# Altium PCB waffling80-NMB.PcbDoc (part 1 of 3) (continued)
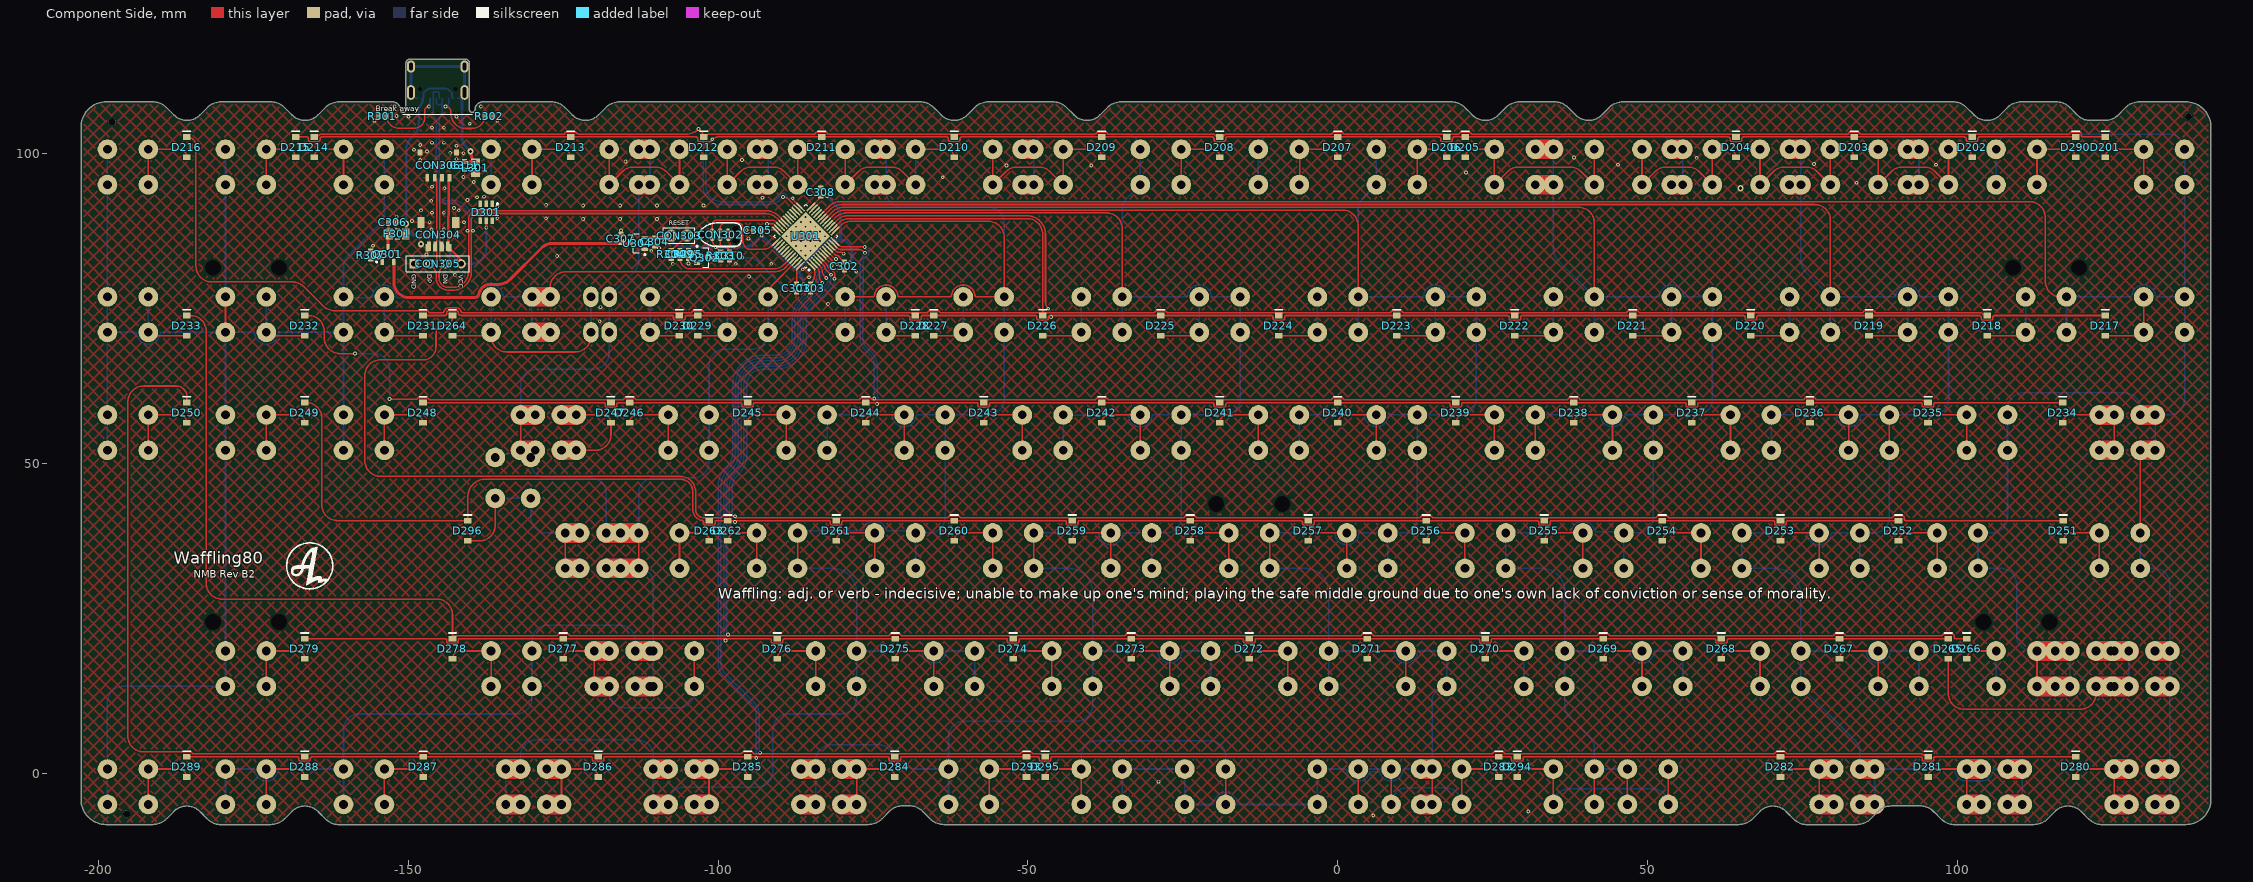
[diagram p0: Component Side view]
## Components (designator, comment, footprint, x,y, rotation, side; value= is the part's Value field where it differs from the comment) (continued)
S239 "NMB" "NMB-Switch 1U - switched pol  - no allignment pins"#1 28.574,57.15 r180 bottom locked
S240 "NMB" "NMB-Switch 1U - switched pol  - no allignment pins"#1 9.524,57.15 r180 bottom locked
S241 "NMB" "NMB-Switch 1U - switched pol  - no allignment pins"#1 -9.526,57.15 r180 bottom locked
S242 "NMB" "NMB-Switch 1U - switched pol  - no allignment pins"#1 -28.576,57.15 r180 bottom locked
S243 "NMB" "NMB-Switch 1U - switched pol  - no allignment pins"#1 -47.626,57.15 r180 bottom locked
S244 "NMB" "NMB-Switch 1U - switched pol  - no allignment pins"#1 -66.676,57.15 r180 bottom locked
S245 "NMB" "NMB-Switch 1U - switched pol  - no allignment pins"#1 -85.726,57.15 r180 bottom locked
S246 "NMB" "NMB-Switch 1U - switched pol  - no allignment pins"#1 -104.776,57.15 r180 bottom locked
S247 "NMB" "NMB-Switch 1U - no allignment pins"#1 -128.588,57.15 r180 bottom locked
S247_1 "NMB" "NMB-Switch 1U - no allignment pins"#1 -126.206,57.149 r180 bottom
S248 "NMB" "NMB-Switch 1U - no allignment pins"#1 -157.162,57.15 r180 bottom locked
S249 "NMB" "NMB-Switch 1U - no allignment pins"#1 -176.213,57.15 r180 bottom locked
S250 "NMB" "NMB-Switch 1U - no allignment pins"#1 -195.262,57.15 r180 bottom locked
S251 "NMB" "NMB-Switch 1U - switched pol  - no allignment pins"#1 126.206,38.1 r180 bottom locked
S252 "NMB" "NMB-Switch 1U - switched pol  - no allignment pins"#1 100.012,38.1 r180 bottom locked
S253 "NMB" "NMB-Switch 1U - switched pol  - no allignment pins"#1 80.962,38.1 r180 bottom locked
S254 "NMB" "NMB-Switch 1U - switched pol  - no allignment pins"#1 61.912,38.1 r180 bottom locked
S255 "NMB" "NMB-Switch 1U - switched pol  - no allignment pins"#1 42.862,38.1 r180 bottom locked
S256 "NMB" "NMB-Switch 1U - switched pol  - no allignment pins"#1 23.812,38.1 r180 bottom locked
S257 "NMB" "NMB-Switch 1U - switched pol  - no allignment pins"#1 4.762,38.1 r180 bottom locked
S258 "NMB" "NMB-Switch 1U - switched pol" -14.288,38.1 r180 bottom locked
S259 "NMB" "NMB-Switch 1U - switched pol  - no allignment pins"#1 -33.338,38.1 r180 bottom locked
S260 "NMB" "NMB-Switch 1U - switched pol  - no allignment pins"#1 -52.388,38.1 r180 bottom locked
S261 "NMB" "NMB-Switch 1U - switched pol  - no allignment pins"#1 -71.438,38.1 r180 bottom locked
S262 "NMB" "NMB-Switch 1U - switched pol  - no allignment pins"#1 -90.488,38.1 r180 bottom locked
S263 "NMB" "NMB-Switch 1U - no allignment pins"#1 -109.538,38.1 r180 bottom locked
S264 "NMB" "NMB-Switch 1U - no allignment pins"#3 -123.826,76.2 r180 bottom locked
S264_1 "NMB" "NMB-Switch 1U - switched pol  - no allignment pins"#1 -133.351,76.2 r180 bottom locked
S265 "NMB" "NMB-Switch 1U - no allignment pins"#1 121.443,19.05 r180 bottom locked
S265_1 "NMB" "NMB-Switch 1U - switched pol  - no allignment pins"#1 130.968,19.05 r180 bottom locked
S265_2 "NMB" "NMB-Switch 1U - no allignment pins"#1 119.064,19.05 r180 bottom locked
S265_3 "NMB" "NMB-Switch 1U - switched pol  - no allignment pins"#2 128.587,19.05 r180 bottom locked
S266 "NMB" "NMB-Switch 1U - switched pol" 109.539,19.05 r180 bottom locked
S267 "NMB" "NMB-Switch 1U - switched pol  - no allignment pins"#1 90.487,19.05 r180 bottom locked
S268 "NMB" "NMB-Switch 1U - switched pol  - no allignment pins"#1 71.437,19.05 r180 bottom locked
S269 "NMB" "NMB-Switch 1U - switched pol  - no allignment pins"#1 52.387,19.05 r180 bottom locked
S270 "NMB" "NMB-Switch 1U - switched pol  - no allignment pins"#1 33.337,19.05 r180 bottom locked
S271 "NMB" "NMB-Switch 1U - switched pol  - no allignment pins"#1 14.287,19.05 r180 bottom locked
S272 "NMB" "NMB-Switch 1U - switched pol  - no allignment pins"#1 -4.763,19.05 r180 bottom locked
S273 "NMB" "NMB-Switch 1U - switched pol  - no allignment pins"#1 -23.813,19.05 r180 bottom locked
S274 "NMB" "NMB-Switch 1U - switched pol  - no allignment pins"#1 -42.862,19.05 r180 bottom locked
S275 "NMB" "NMB-Switch 1U - switched pol  - no allignment pins"#1 -61.913,19.05 r180 bottom locked
S276 "NMB" "NMB-Switch 1U - switched pol  - no allignment pins"#1 -80.963,19.05 r180 bottom locked
S277 "NMB" "NMB-Switch 1U - switched pol  - no allignment pins"#1 -116.682,19.05 r180 bottom locked
S277_1 "NMB" "NMB-Switch 1U - no allignment pins"#1 -107.157,19.05 r180 bottom locked
S277_2 "NMB" "NMB-Switch 1U - switched pol  - no allignment pins"#2 -114.301,19.05 r180 bottom
S278 "NMB" "NMB-Switch 1U - switched pol  - no allignment pins"#1 -133.351,19.05 r180 bottom locked
S279 "NMB" "NMB-Switch 1U" -176.213,19.05 r180 bottom locked
S280 "NMB" "NMB-Switch 1U - no allignment pins"#1 128.587,0 r180 bottom locked
S280_1 "NMB" "NMB-Switch 1U - switched pol  - no allignment pins"#1 130.968,0 r180 bottom locked
S281 "NMB" "NMB-Switch 1U - no allignment pins"#1 104.775,0 r180 bottom locked
S281_1 "NMB" "NMB-Switch 1U - switched pol  - no allignment pins"#1 107.156,0 r180 bottom locked
S282 "NMB" "NMB-Switch 1U - no allignment pins"#1 80.962,0 r180 bottom locked
S282_1 "NMB" "NMB-Switch 1U - switched pol  - no allignment pins"#1 83.344,0 r180 bottom locked
S283 "NMB" "NMB-Switch 1U - no allignment pins"#1 0,0 r180 bottom locked
S283_1 "NMB" "NMB-Switch 1U - switched pol  - no allignment pins"#1 11.906,0 r180 bottom locked
S283_2 "NMB" "NMB-Switch 1U - no allignment pins"#1 16.676,0 r180 bottom locked
S284 "NMB" "NMB-Switch 1U - no allignment pins"#1 -80.962,0 r180 bottom locked
S284_1 "NMB" "NMB-Switch 1U - no allignment pins"#1 -83.344,0 r180 bottom locked
S285 "NMB" "NMB-Switch 1U - no allignment pins"#1 -104.775,0 r180 bottom locked
S285_1 "NMB" "NMB-Switch 1U - no allignment pins"#1 -107.156,0 r180 bottom locked
S286 "NMB" "NMB-Switch 1U - no allignment pins"#1 -128.588,0 r180 bottom locked
S286_1 "NMB" "NMB-Switch 1U - no allignment pins"#1 -130.969,0 r180 bottom locked
S287 "NMB" "NMB-Switch 1U - no allignment pins"#1 -157.162,0 r180 bottom locked
S288 "NMB" "NMB-Switch 1U - no allignment pins"#1 -176.213,0 r180 bottom locked
S289 "NMB" "NMB-Switch 1U - no allignment pins"#1 -195.262,0 r180 bottom locked
S290 "NMB" "NMB-Switch 1U - no allignment pins"#1 109.537,100.012 r180 bottom locked
S293 "NMB" "NMB-Switch 1U - no allignment pins"#1 -59.532,0 r180 bottom locked
S294 "NMB" "NMB-Switch 1U - no allignment pins"#1 38.1,0 r180 bottom locked
S294_2 "NMB" "NMB-Switch 1U - no allignment pins"#1 50.038,0 r180 bottom locked
S295 "NMB" "NMB-Switch 1U - no allignment pins"#1 -38.1,0 r180 bottom locked
S295_2 "NMB" "NMB-Switch 1U - no allignment pins"#1 -21.4,0 r180 bottom locked
S296 "NMB" "NMB-Switch 1U - switched pol  - no allignment pins"#1 -121.362,38.1 r180 bottom locked
S296_1 "NMB" "NMB-Switch 1U - no allignment pins"#1 -130.892,47.63 r90 bottom locked
S296_2 "NMB" "NMB-Switch 1U - switched pol  - no allignment pins"#2 -119.063,38.1 r180 bottom
U301 "STM32F072/F303_LQFP48" "STM32 - COMBO 7X7MM" -85.878,86.611 r45 top
U304 "XC6206P332MR" SOT-23-3 -113.041,85.471 r0 top

## Footprints (in the part's own frame and the unit in brackets; to place one, negate y for a bottom-side part, rotate by r counter-clockwise, add the part's x,y. Pads: shape width x height; smd on the part's side, far side on the other; paste and mask are expansions set on the pad)
C0603[1608] [mm] "Chip Resistor, 2-Leads, Body 1,57x0,80mm, IPC Medium Density"
  rect 0.8x0.85 smd: 1(-0.65,0) 2(0.65,0)
  body extent -0.83,-0.43 0.82,0.43, height 0.5
C1206[3216] [mm]
  rect 1.2x1.8 smd: 1(-1.35,0) 2(1.35,0)
  silkscreen extent -0.35,-0.8 0.35,0.8, body extent -1.6,-0.9 1.6,0.9, height 1.2
HDR1X2 [mm] "Connector; Header; 2 Position"
  round 2 hole 0.9 mask+0.102: 1(0,0) 2(2.54,0)
  silkscreen extent -1.27,-1.27 3.81,1.27
HDR1X4 [mm] "Connector; Header; 4 Position"
  round 1.5 hole 0.9 mask+0.102: 1(0,0) 2(2.54,0) 3(5.08,0)
  rect 1.5x1.5 hole 0.9 mask+0.102: 4(7.62,0)
  silkscreen extent -1.27,-1.27 8.89,1.27
L0805 [mm] "based on Sunlord-GZ2012D101TF_C1015 datasheet"
  rect 1.16x1.47 smd: 1(-0.92,0) 2(0.92,0)
  body extent -1.15,-0.72 1.15,0.72, height 1.02
"Molex 781710004" [mm]
  rect 0.6x1.2 smd: 1(-1.8,2.2) 2(-0.6,2.2) 3(0.6,2.2) 4(1.8,2.2)
  rect 0.85x1 smd: 5(-2.94,-1.887) 5(2.94,-1.887)
  body extent -3.3,-2.05 3.3,2.48, height 1.5
"NMB-Switch 1U" [mm]
  round 3.18 hole 1.4 mask+0.102: 1(-3.3,-5.08) 1(-3.3,0.64) 2(3.3,-5.08) 2(3.3,0.64)
  round 0 hole 2.54 unplated mask+0.102: ""(-5.33,5.33) ""(5.33,5.33)
  round 1 on Mech14 mask+0.102: ""(0,0)
"NMB-Switch 1U - no allignment pins"#1 [mm]
  round 3.18 hole 1.4 mask+0.102: 1(-3.3,-5.08) 1(-3.3,0.64) 2(3.3,-5.08) 2(3.3,0.64)
  round 1 on Mech14 mask+0.102: ""(0,0)
"NMB-Switch 1U - no allignment pins"#2 [mm]
  round 3.18 hole 1.4 mask+0.102: 1(-3.3,-5.08) 1(-3.3,0.64)
  oval 2.5x3.3 hole 1.4 mask+0.102: 2(3.3,-5.08) 2(3.3,0.64)
  round 1 on Mech14 mask+0.102: ""(0,0)
"NMB-Switch 1U - no allignment pins"#3 [mm]
  oval 2.5x3.3 hole 1.4 mask+0.102: 1(-3.3,-5.08) 1(-3.3,0.64)
  round 3.18 hole 1.4 mask+0.102: 2(3.3,-5.08) 2(3.3,0.64)
  round 1 on Mech14 mask+0.102: ""(0,0)
"NMB-Switch 1U - switched pol" [mm]
  round 3.18 hole 1.4 mask+0.102: 1(3.3,-5.08) 1(3.3,0.64) 2(-3.3,-5.08) 2(-3.3,0.64)
  round 0 hole 2.54 unplated mask+0.102: ""(-5.33,5.33) ""(5.33,5.33)
  round 1 on Mech14 mask+0.102: ""(0,0)
"NMB-Switch 1U - switched pol  - no allignment pins"#1 [mm]
  round 3.18 hole 1.4 mask+0.102: 1(3.3,-5.08) 1(3.3,0.64) 2(-3.3,-5.08) 2(-3.3,0.64)
  round 1 on Mech14 mask+0.102: ""(0,0)
"NMB-Switch 1U - switched pol  - no allignment pins"#2 [mm]
  round 3.18 hole 1.4 mask+0.102: 1(3.3,-5.08) 1(3.3,0.64) 2(-3.3,-5.08) 2(-3.3,0.64)
  round 1 on Mech14: ""(0,0)
R0603[1608] [mm] "Chip Resistor, 2-Leads, Body 1,57x0,80mm, IPC Medium Density"
  rect 0.8x0.85 smd: 1(-0.65,0) 2(0.65,0)
  body extent -0.83,-0.43 0.82,0.43, height 0.5
SOD-123 [mm]
  rect 0.91x1.22 smd: 1(1.635,0) 2(-1.635,0)
  silkscreen extent -2.54,-0.64 -2.54,0.63, body extent -1.87,-0.85 1.88,0.85, height 1.2
SOT-23-3 [mm] "3.3v regulator, used in Windsond S2 proto 1"
  rect 1x0.55 smd: 1(1.2,-0.95) 2(1.2,0.95) 3(-1.2,0)
  silkscreen extent -0.7,-1.95 1.32,1.55, body extent -1.1,-1.5 1.45,1.5, height 1
SOT-23-6 [mm]
  rect 1x0.55 smd: 1(1.375,-0.95) 2(1.375,0) 3(1.375,0.95) 4(-1.375,0.95) 5(-1.375,0) 6(-1.375,-0.95)
  silkscreen extent -0.46,-1.93 1.5,1.55, body extent -1.47,-1.49 1.37,1.44, height 1.05
"STM32 - COMBO 7X7MM" [mm] "LQFP48, 7x7mm"
  oval 0.3x1.45 smd paste-5: 1(-2.75,-4.225) 2(-2.25,-4.225) 3(-1.75,-4.225) 4(-1.25,-4.225) 5(-0.75,-4.225) 6(-0.25,-4.225) 7(0.25,-4.225) 8(0.75,-4.225) 9(1.25,-4.225) 10(1.75,-4.225) 11(2.25,-4.225) 12(2.75,-4.225) 25(2.75,4.225) 26(2.25,4.225) 27(1.75,4.225) 28(1.25,4.225) 29(0.75,4.225) 30(0.25,4.225) 31(-0.25,4.225) 32(-0.75,4.225) 33(-1.25,4.225) 34(-1.75,4.225) 35(-2.25,4.225) 36(-2.75,4.225)
  oval 0.25x0.8 smd: 1(-2.75,-3.4) 2(-2.25,-3.4) 3(-1.75,-3.4) 4(-1.25,-3.4) 5(-0.75,-3.4) 6(-0.25,-3.4) 7(0.25,-3.4) 8(0.75,-3.4) 9(1.25,-3.4) 10(1.75,-3.4) 11(2.25,-3.4) 12(2.75,-3.4) 25(2.75,3.4) 26(2.25,3.4) 27(1.75,3.4) 28(1.25,3.4) 29(0.75,3.4) 30(0.25,3.4) 31(-0.25,3.4) 32(-0.75,3.4) 33(-1.25,3.4) 34(-1.75,3.4) 35(-2.25,3.4) 36(-2.75,3.4)
  oval 0.8x0.25 smd: 13(3.4,-2.75) 14(3.4,-2.25) 15(3.4,-1.75) 16(3.4,-1.25) 17(3.4,-0.75) 18(3.4,-0.25) 19(3.4,0.25) 20(3.4,0.75) 21(3.4,1.25) 22(3.4,1.75) 23(3.4,2.25) 24(3.4,2.75) 37(-3.4,2.75) 38(-3.4,2.25) 39(-3.4,1.75) 40(-3.4,1.25) 41(-3.4,0.75) 42(-3.4,0.25) 43(-3.4,-0.25) 44(-3.4,-0.75) 45(-3.4,-1.25) 46(-3.4,-1.75) 47(-3.4,-2.25) 48(-3.4,-2.75)
  oval 1.45x0.3 smd paste-5: 13(4.225,-2.75) 14(4.225,-2.25) 15(4.225,-1.75) 16(4.225,-1.25) 17(4.225,-0.75) 18(4.225,-0.25) 19(4.225,0.25) 20(4.225,0.75) 21(4.225,1.25) 22(4.225,1.75) 23(4.225,2.25) 24(4.225,2.75) 37(-4.225,2.75) 38(-4.225,2.25) 39(-4.225,1.75) 40(-4.225,1.25) 41(-4.225,0.75) 42(-4.225,0.25) 43(-4.225,-0.25) 44(-4.225,-0.75) 45(-4.225,-1.25) 46(-4.225,-1.75) 47(-4.225,-2.25) 48(-4.225,-2.75)
  rect 5.6x5.6 smd: 47(0,0)
  silkscreen extent -3.65,-4.35 3.65,3.65, body extent -3.52,-3.52 3.52,3.52, height 0.5
TC2030-IDC-NL [mm] "Tag-Connect 6-Pin with No Legs (PN# TC2030-IDC-NL)"
  round 0.9 hole 0.995 unplated: 0(-2.54,0) 0(2.54,-1.016) 0(2.54,1.016)
  round 0.79 smd paste-0.39: 1(-1.27,-0.635) 2(-1.27,0.635) 3(0,-0.635) 4(0,0.635) 5(1.35,-0.635) 6(1.27,0.635)
  silkscreen extent -3.43,-1.91 3.43,1.9
TYPE-C-31-M-12 [mm]
  rect 0.6x1.45 smd: A1B12(-3.25,0) A4B9(-2.45,0) B1A12(3.25,0) B4A9(2.45,0)
  rect 0.3x1.45 smd: A5(-1.25,0) A6(-0.25,0) A7(0.25,0) A8(1.25,0) B5(1.75,0) B6(0.75,0) B7(-0.75,0) B8(-1.75,0)
  oval 1x1.6 / inner oval 1x1.6 / far side oval 1.3x2 hole 0.6 slot 1.2 at 90 deg: S1(-4.32,-5.095) S1(4.32,-5.095)
  oval 1x2.1 / inner oval 1x2.1 / far side oval 1.3x2.4 hole 0.6 slot 1.7 at 90 deg: S1(-4.32,-0.915) S1(4.32,-0.915)
  round 0 hole 0.65 unplated: ""(-2.89,-1.445) ""(2.89,-1.445)
  body extent -4.48,-7.72 4.46,0.18, height 3.21
UDB_combo_JST_MOLEX [mm]
  rect 0.6x1.2 smd: 1(-1.8,2.2) 2(-0.6,2.2) 3(0.6,2.2) 4(1.8,2.2)
  rect 0.6x1.55 smd: 1(-1.5,2.021) 2(-0.5,2.021) 3(0.5,2.021) 4(1.5,2.021)
  rect 0.85x1 smd: 5(-2.94,-1.887) 5(2.94,-1.887)
  rect 1.2x1.8 smd: 5(-2.8,-1.854) 5(2.8,-1.854)
  body extent -3.01,-2.62 2.99,2.33, height 2.96

## Part data
C301 C302 C303 C304 C305 C308 C311: library part Cap, "Capacitor", LCSC MFG=YAGEO, LCSC Part #=C14663, MRF.Part=CC0603KRX7R9BB104, Version="0603 imperial"
C306 C309: library part Cap, "Capacitor", LCSC MFG="Samsung Electro-Mechanics", LCSC Part #=C19666, MRF.Part=CL10A475KO8NNNC, Version="0603 imperial"
C307: library part Cap, "Capacitor", LCSC MFG="Samsung Electro-Mechanics", LCSC Part #=C15849, MRF.Part=CL10A105KB8NNNC, Version="0603 imperial"
C310: library part Cap, "Capacitor", LCSC MFG="Samsung Electro-Mechanics", LCSC Part #=C1623, MRF.Part=CL10B474KA8NNNC, Version="0603 imperial"
CON301: LCSC MFG="Korean Hroparts Elec", LCSC Part #=C165948, MRF.Part=TYPE-C-31-M-12
CON302: library part "Header 3X2", "Header, 3-Pin, Dual row"
CON303: "Header, 2-Pin"
CON304: "JST for USB daughter board", LCSC MFG="JST Sales America", LCSC Part #=C160404, MRF.Part=SM04B-SRSS-TB(LF)(SN)
CON305: "Header, 4-Pin"
CON306: "JST for USB daughter board", LCSC MFG=MOLEX, LCSC Part #=C588524, MRF.Part=781710004
D201 D202 D203 D204 D205 D206 D207 D208 D209 D210 D211 D212 D213 D214 D215 D216 D217 D218 D219 D220 D221 D222 D223 D224 D225 D226 D227 D228 D229 D230 D231 D232 D233 D234 D235 D236 D237 D238 D239 D240 D241 D242 D243 D244 D245 D246 D247 D248 D249 D250 D251 D252 D253 D254 D255 D256 D257 D258 D259 D260 D261 D262 D263 D264 D265 D266 D267 D268 D269 D270 D271 D272 D273 D274 D275 D276 D277 D278 D279 D280 D281 D282 D283 D284 D285 D286 D287 D288 D289 D290 D293 D294 D295 D296: "Default Diode", LCSC MFG=ST(Semtech), LCSC Part #=C81598, MRF.Part=1N4148W, Version=SOD-123
D301: LCSC MFG="ProTek Devices", LCSC Part #=C85364, MRF.Part=SRV05-4-P-T7
F301: "Thermal Fuse", LCSC MFG="Shenzhen JDT Fuse", LCSC Part #=C135338, MRF.Part=ASMD1206-050
L301: LCSC MFG=Sunlord, LCSC Part #=C1015, MRF.Part=GZ2012D101TF, Version="0806 imperial"
Q301: "P-Channel Power MOSFET", LCSC MFG="Vishay Intertech", LCSC Part #=C10487, MRF.Part=SI2301CDS-T1-GE3, Version=SOT23-3
Q302: library part MOSFET-N, "N-Channel MOSFET", LCSC MFG="Changjiang Electronics Tech (CJ)", LCSC Part #=C8545, MRF.Part=2N7002
R301 R302: "Resistor", LCSC MFG="Uniroyal Elec", LCSC Part #=C23186, MRF.Part=0603WAF5101T5E, Version="0603 imperial"
R303 R304 R307: "Resistor", LCSC MFG="Uniroyal Elec", LCSC Part #=C25804, MRF.Part=0603WAF1002T5E, Version="0603 imperial"
R305: "Resistor", LCSC MFG="Uniroyal Elec", LCSC Part #=C25803, MRF.Part=0603WAF1003T5E, Version="0603 imperial"
S201 S202 S202_1 S203 S203_1 S204 S204_1 S205 S205_1 S206 S207 S208 S209 S209_1 S210 S210_1 S211 S211_1 S212 S212_1 S213 S214 S215 S216 S217 S218 S219 S220 S221 S222 S223 S224 S225 S226 S227 S228 S229 S230 S231 S232 S233 S235 S236 S237 S238 S239 S240 S241 S242 S243 S244 S245 S246 S247 S247_1 S248 S249 S250 S251 S252 S253 S254 S255 S256 S257 S258 S259 S260 S261 S262 S263 S264 S264_1 S265 S265_1 S265_2 S265_3 S266 S267 S268 S269 S270 S271 S272 S273 S274 S275 S276 S277 S277_1 S277_2 S278 S279 S280 S280_1 S281 S281_1 S282 S282_1 S283 S283_1 S283_2 S284 S284_1 S285 S285_1 S286 S286_1 S287 S288 S289 S290 S293 S294 S294_2 S295 S295_2 S296 S296_1 S296_2: library part SW-PB, "Switch"
S234 S234_1: library part SW-PB, "TAB"
U301: LCSC MFG=Geehy, LCSC Part #=C915660, MRF.Part=APM32F072CBT6
U304: library part "SOT23 LDO", LCSC MFG="Torex Semicon", LCSC Part #=C5446, MRF.Part=XC6206P332MR

## Free pads (board coordinates)
  round 1.152 hole 1.152 unplated paste+0.148 mask+0.148: ""(-197.803,105.092) ""(-195.453,-6.604) ""(137.287,105.918)
  round 0 hole 0.3 unplated: ""(-150.506,106.598) ""(-149.617,106.598) ""(-148.85,106.598) ""(-147.839,106.598) ""(-146.696,106.598) ""(-145.262,106.598) ""(-142.632,106.598) ""(-141.88,106.598) ""(-140.8,106.598) ""(-139.965,106.598)

## Via types
v1: diameter 0.6, hole 0.3, Component Side to Bottom Layer, tented both sides, 128 vias
v2: diameter 0.6, hole 0.3, Component Side to Bottom Layer, tented bottom, 25 vias
v3: diameter 1, hole 0.5, Component Side to Bottom Layer, tented both sides, 4 vias

## Nets (pads, with @x,y where several pads share a name; then routed paths per layer and width w, separated by ;. In a path a pad name is that pad's centre, name@x,y a point inside that pad or via, vN(x,y) a via of type N, cw(c..) or ccw(c..) an arc to the next point about the centre after c; other vN are vias at no path point)
BOOT0: C309.1 CON303.1 R304.1 U301.44 | length 24.8
  Component Side w0.254: CON303.1@-105.029,86.741 -105.652,86.118 -107.271,84.616 R304.1@-107.569,84.343 -107.271,84.07 -106.47,83.316 C309.1@-106.172,83.043 ccw(c-104.482,83.043) -104.482,81.353 -91.127,81.353 ccw(c-91.127,83.893) -89.331,82.097 U301.44@-88.335,83.093
col1: S201.2 S217.2 S218.2 S234.2 S234_1.2 S235.2 S251.2 S252.2 S265.2 S265_1.2 S265_2.2 S265_3.2 S266.2 S280.1 S280_1.2 S290.2 U301.20 | length 537.2
  Component Side w0.254: U301.20@-83.421,90.129 -82.09,91.459 cw(c-80.294,89.663) -80.294,92.203 111.633,92.203 cw(c111.633,89.663) 114.173,89.663 114.173,79.38 ccw(c116.713,79.38) 116.713,76.84 S218.2@117.6,76.84 ; S266.2@112.84,13.97 S266.2@112.84,19.69 ; S251.2@129.506,38.74 S234_1.2@129.506,52.07
  Component Side w3.18: S266.2@112.84,13.97 S265_2.2@115.764,13.97 S265.2@118.143,13.97 ; S266.2@112.84,19.69 S265_2.2@115.764,19.69 S265.2@118.143,19.69 ; S234_1.2@129.506,52.07 S234.2@131.887,52.07 ; S234_1.2@129.506,57.79 S234.2@131.887,57.79 ; S280.1@131.887,-5.08 S280_1.2@134.268,-5.08 ; S280.1@131.887,0.64 S280_1.2@134.268,0.64 ; S265_3.2@131.887,13.97 S265_1.2@134.268,13.97 ; S265_3.2@131.887,19.69 S265_1.2@134.268,19.69
  Bottom Layer w0.254: S290.2@106.237,94.932 S290.2@106.237,100.652 cw(c108.686,100.652) 108.686,103.101 134.201,103.101 cw(c134.201,100.652) S201.2@136.65,100.652 S201.2@136.65,94.932 S217.2@136.65,76.84 ; S218.2@117.6,71.12 S218.2@117.6,76.84 127.895,76.84 ccw(c127.893,77.094) 128.146,77.064 cw(c130.049,76.84) 129.436,78.656 ; S265.2@118.143,13.97 S265.2@118.143,19.69 S265_2.2@115.764,19.69 S266.2@112.84,19.69 112.079,19.69 cw(c112.079,22.23) 109.539,22.23 109.539,30.48 ccw(c106.999,30.48) 106.999,33.02 S252.2@103.312,33.02 103.312,37.78 cw(c103.759,37.78) 103.759,38.227 103.759,38.293 ccw(c103.312,38.293) S252.2@103.312,38.74 105.535,38.74 ccw(c105.535,41.28) 108.075,41.28 S235.2@108.075,52.07 S235.2@108.075,57.79 108.075,58.801 cw(c110.615,58.801) 110.615,61.341 126.966,61.341 cw(c126.966,58.801) 129.506,58.801 S234_1.2@129.506,57.79 S234.2@131.887,57.79 ; 129.44,78.657 cw(c130.049,76.84) 131.953,77.063 ccw(c132.206,77.094) 132.204,76.84 S217.2@136.65,76.84 ; S251.2@129.506,38.74 S251.2@129.506,33.02 131.728,33.02 cw(c131.728,30.48) 134.268,30.48 S265_1.2@134.268,19.69 S265_1.2@134.268,13.97 S280_1.2@134.268,0.64 S280_1.2@134.268,-5.08 ; S234_1.2@130.208,52.07 S234.2@131.887,52.07 S234.2@131.887,57.79 ; S234.2@131.887,57.79 134.11,57.79 ccw(c134.11,60.33) 136.65,60.33 S217.2@136.65,71.12 S217.2@136.65,76.84
  Bottom Layer w3.18: S266.2@112.84,13.97 S265_2.2@115.764,13.97 ; S266.2@112.84,19.69 S265_2.2@115.118,19.69 ; S265_2.2@116.305,13.97 S265.2@118.143,13.97 ; S265_2.2@116.305,19.69 S265.2@118.143,19.69 ; S234_1.2@129.588,52.07 S234.2@131.867,52.07 ; S234_1.2@129.608,57.79 S234.2@131.887,57.79 ; S280.1@131.887,-5.08 S280_1.2@134.268,-5.08 ; S280.1@131.887,0.64 S280_1.2@134.228,0.64 ; S265_3.2@132.43,13.97 S265_1.2@134.268,13.97 ; S265_3.2@132.43,19.69 S265_1.2@134.268,19.69
col2: S202.2 S202_1.2 S203.2 S203_1.2 S219.2 S220.2 S236.2 S237.2 S253.2 S254.2 S267.2 S268.2 S281.1 S281_1.2 S282.1 S282_1.2 U301.19 | length 508
  Component Side w0.254: U301.19@-83.067,89.775 -81.837,91.005 cw(c-80.041,89.209) -80.041,91.749 76.96,91.749 cw(c76.96,89.209) 79.5,89.209 S220.2@79.5,76.84 ; S236.2@89.025,52.07 S236.2@89.025,57.79
  Component Side w3.18: S203_1.2@72.899,94.932 S203.2@74.738,94.932 ; S203_1.2@72.899,100.653 S203.2@74.738,100.652 ; S282.1@84.263,-5.08 S282_1.2@86.644,-5.08 ; S282.1@84.263,0.64 S282_1.2@86.644,0.64 ; S202_1.2@91.949,94.932 S202.2@93.788,94.932 ; S202_1.2@91.949,100.653 S202.2@93.788,100.652 ; S281.1@108.075,-5.08 S281_1.2@110.456,-5.08 ; S281.1@108.075,0.64 S281_1.2@110.456,0.64
  Bottom Layer w0.254: S237.2@69.975,52.07 S237.2@69.975,57.79 80.27,57.79 cw(c80.268,57.536) 80.521,57.566 ccw(c82.424,57.79) 84.328,57.566 cw(c84.581,57.536) 84.579,57.79 S236.2@89.025,57.79 96.01,57.79 ccw(c96.01,60.33) 98.55,60.33 S219.2@98.55,71.12 S219.2@98.55,76.84 94.104,76.84 cw(c94.106,77.094) 93.853,77.063 ccw(c91.949,76.84) 90.588,78.19 ; S203_1.2@72.899,100.653 S203.2@74.738,100.652 ; S220.2@79.5,71.12 S220.2@79.5,76.84 ; S253.2@84.262,32.901 S253.2@84.262,33.02 S253.2@84.262,38.74 ; S282.1@84.263,0.64 84.263,3.393 ccw(c81.723,3.393) 83.519,5.189 S268.2@74.737,13.97 S268.2@74.737,19.69 ; S282_1.2@86.644,-5.08 S282_1.2@86.644,0.64 99.32,0.64 cw(c99.319,0.386) 99.571,0.416 ccw(c101.475,0.64) 101.475,-1.277 103.856,-1.277 ccw(c103.856,0.64) 105.76,0.416 cw(c106.012,0.386) 106.011,0.64 S281.1@108.075,0.64 ; S236.2@89.025,52.07 89.025,41.28 cw(c86.485,41.28) 86.485,38.74 S253.2@84.262,38.74 ; 90.744,78.331 ccw(c91.949,76.84) 90.046,77.064 cw(c89.793,77.094) 89.795,76.84 S220.2@79.5,76.84 ; S267.2@93.787,13.97 S267.2@93.787,19.69 89.342,19.69 ccw(c89.343,19.436) 89.091,19.466 cw(c87.187,19.69) 85.283,19.466 ccw(c85.031,19.436) 85.032,19.69 S268.2@74.737,19.69 ; S202.2@93.788,94.932 S202.2@93.788,100.652 ccw(c93.772,100.399) 93.772,100.653 S202_1.2@91.949,100.653 ccw(c89.501,100.653) 89.501,103.101 77.187,103.101 ccw(c77.187,100.652) S203.2@74.738,100.652 ; S281_1.2@110.456,-5.08 S281_1.2@110.456,0.64 ; S268.2@74.737,19.69 74.737,28.747 ccw(c70.465,28.747) 70.465,33.02 S254.2@65.212,33.02 S254.2@65.212,38.74 75.507,38.74 cw(c75.506,38.486) 75.758,38.516 ccw(c77.662,38.74) 79.566,38.516 cw(c79.818,38.486) 79.817,38.74 S253.2@84.262,38.74 ; S203.2@74.738,100.652 S203.2@74.738,94.932 74.738,82.654 ccw(c77.278,82.654) 75.481,80.858 S220.2@79.5,76.84
  Bottom Layer w3.18: S203_1.2@72.899,94.932 S203.2@74.738,94.932 ; S203_1.2@72.899,100.653 S203.2@74.738,100.652 ; S282.1@84.263,0.64 S282_1.2@86.644,0.64 ; S282.1@84.303,-5.08 S282_1.2@86.644,-5.08 ; S202_1.2@91.949,94.932 S202.2@93.788,94.932 ; S202_1.2@91.949,100.653 S202.2@93.788,100.652 ; S281.1@108.075,0.64 S281_1.2@110.456,0.64 ; S281.1@108.115,-5.08 S281_1.2@110.456,-5.08
col3: S204.2 S204_1.2 S205.2 S205_1.2 S221.2 S222.2 S238.2 S239.2 S255.2 S256.2 S269.2 S270.2 S294.1 S294_2.2 U301.18 | length 433.6
  Component Side w0.254: U301.18@-82.714,89.421 -81.584,90.551 cw(c-79.788,88.755) -79.788,91.295 38.86,91.295 cw(c38.86,88.755) 41.4,88.755 S222.2@41.4,76.84 ; S239.2@31.875,52.07 S239.2@31.875,57.79 ; S294.1@41.4,-5.08 S294.1@41.4,0.64 ; S294_2.2@46.738,-5.08 S294_2.2@46.738,0.64
  Component Side w3.18: S205.2@32.418,94.932 S205_1.2@34.799,94.932 ; S205.2@32.418,100.653 S205_1.2@34.799,100.653 ; S204_1.2@53.849,94.932 S204.2@55.688,94.932 ; S204_1.2@53.849,100.653 S204.2@55.688,100.652
  Bottom Layer w0.254: S239.2@31.875,57.79 ccw(c31.925,58.039) 31.924,57.785 42.17,57.785 cw(c42.169,57.531) 42.421,57.562 ccw(c44.324,57.79) 46.228,57.563 cw(c46.48,57.531) 46.479,57.785 50.874,57.785 ccw(c50.874,58.039) S238.2@50.925,57.79 ; S222.2@41.4,71.12 S222.2@41.4,76.84 ; S255.2@46.162,32.447 S255.2@46.162,33.02 S255.2@46.162,38.74 ; S294_2.2@46.738,0.64 S294.1@41.4,0.64 41.4,4.03 ccw(c38.86,4.03) 40.656,5.826 37.381,9.101 cw(c39.177,10.897) 36.637,10.897 S270.2@36.637,13.97 S270.2@36.637,19.69 ; 52.311,77.984 cw(c53.849,76.84) 55.753,77.063 ccw(c56.006,77.094) 56.004,76.84 S221.2@60.45,76.84 ccw(c60.45,76.589) 60.198,76.589 60.198,76.454 cw(c60.198,76.202) 60.45,76.202 S221.2@60.45,71.12 60.45,60.33 cw(c57.91,60.33) 57.91,57.79 S238.2@50.925,57.79 ; 52.981,78.549 ccw(c53.849,76.84) 51.946,77.064 cw(c51.693,77.094) 51.695,76.84 S222.2@41.4,76.84 ; S269.2@55.687,13.97 S269.2@55.687,19.69 51.242,19.69 ccw(c51.243,19.436) 50.991,19.466 cw(c49.087,19.69) 47.183,19.466 ccw(c46.931,19.436) 46.932,19.69 S270.2@36.637,19.69 ; S204.2@55.688,94.932 S204.2@55.688,100.652 S204_1.2@53.849,100.653 ccw(c51.401,100.653) 51.401,103.101 37.248,103.101 ccw(c37.248,100.653) S205_1.2@34.799,100.653 S205_1.2@34.799,94.932 34.799,84.492 ccw(c37.339,84.492) 35.543,82.696 S222.2@41.4,76.84 ; S270.2@36.637,19.69 36.637,29.316 ccw(c32.933,29.316) 32.933,33.02 S256.2@27.112,33.02 S256.2@27.112,38.74 37.348,38.74 ccw(c37.348,38.994) 37.527,38.814 37.595,38.883 ccw(c37.415,39.061) 37.666,39.023 cw(c39.562,38.74) 41.436,39.142 ccw(c41.684,39.197) 41.683,38.943 45.913,38.943 cw(c45.913,38.689) S255.2@46.162,38.74 ; S255.2@46.162,38.74 48.385,38.74 ccw(c48.385,41.28) 50.925,41.28 S238.2@50.925,52.07 S238.2@50.925,57.79
  Bottom Layer w3.18: S205.2@31.875,94.932 S205_1.2@34.799,94.932 ; S205.2@31.875,100.652 S205_1.2@34.799,100.653 ; S204_1.2@53.849,94.932 S204.2@55.688,94.932
col4: S206.2 S207.2 S223.2 S224.2 S240.2 S241.2 S257.2 S258.2 S271.2 S272.2 S283.2 S283_1.2 S283_2.2 S295.1 S295_2.2 U301.17 | length 443.1
  Component Side w0.254: U301.17@-82.36,89.068 -81.331,90.097 cw(c-79.535,88.301) -79.535,90.841 0.76,90.841 cw(c0.76,88.301) 3.3,88.301 S224.2@3.3,76.84 ; S258.2@-10.988,33.02 S258.2@-10.988,38.74 ; S283_1.2@15.206,-5.08 S283_1.2@15.206,0.64
  Component Side w3.18: S283_2.2@13.376,-5.08 S283_1.2@15.206,-5.08 ; S283_2.2@13.376,0.64 S283_1.2@15.206,0.64
  Bottom Layer w0.254: S295.1@-34.8,-5.08 S295.1@-34.8,0.64 S295_2.2@-24.7,0.64 S295_2.2@-24.7,-5.08 -20.255,-5.08 ccw(c-20.256,-4.826) -20.004,-4.856 cw(c-18.1,-5.08) -19.849,-4.296 cw(c-18.1,-5.08) -17.524,-3.252 ; -18.791,-3.292 cw(c-18.1,-5.08) -16.196,-4.857 ccw(c-15.944,-4.826) -15.945,-5.08 S283.2@-3.3,-5.08 S283.2@-3.3,0.64 1.145,0.64 cw(c1.144,0.386) 1.396,0.416 ccw(c3.3,0.64) 5.113,0.016 cw(c5.352,-0.068) 5.351,0.186 6.561,0.186 cw(c6.554,-0.068) 6.793,0.016 ; S207.2@-12.826,94.932 S207.2@-12.826,100.652 cw(c-10.377,100.652) -10.377,103.101 3.775,103.101 cw(c3.775,100.652) S206.2@6.224,100.652 S206.2@6.224,94.932 4.043,92.751 ccw(c5.84,90.955) 3.3,90.955 S224.2@3.3,76.84 ; S258.2@-10.988,33.02 -5.224,33.02 cw(c-5.224,29.258) -1.463,29.258 S272.2@-1.463,19.69 ; S258.2@-10.988,38.74 -0.693,38.74 cw(c-0.694,38.486) -0.442,38.516 ccw(c1.462,38.74) 3.366,38.517 cw(c3.618,38.486) 3.617,38.74 S257.2@8.062,38.74 ; S241.2@-6.225,52.07 S241.2@-6.225,57.79 4.07,57.79 cw(c4.068,57.536) 4.321,57.566 ccw(c6.224,57.79) 8.128,57.566 cw(c8.381,57.536) 8.379,57.79 S240.2@12.825,57.79 ; S272.2@-1.463,13.97 S272.2@-1.463,19.69 ; S224.2@3.3,71.12 S224.2@3.3,76.84 ; 6.793,0.016 ccw(c8.606,0.64) 8.42,-1.268 ccw(c8.606,0.64) 10.51,0.417 cw(c10.762,0.386) 10.761,0.64 S283_2.2@13.376,0.64 ; S257.2@8.062,33.02 S257.2@8.062,38.74 ; 14.03,77.687 cw(c15.749,76.84) 17.653,77.063 ccw(c17.906,77.094) 17.904,76.84 S223.2@22.35,76.84 S223.2@22.35,71.12 22.35,60.33 cw(c19.81,60.33) 19.81,57.79 S240.2@12.825,57.79 ; S283_1.2@15.206,0.64 15.206,11.589 cw(c17.587,11.589) S271.2@17.587,13.97 S271.2@17.587,19.69 13.142,19.69 ccw(c13.143,19.436) 12.891,19.467 cw(c10.987,19.69) 9.083,19.466 ccw(c8.831,19.436) 8.832,19.69 S272.2@-1.463,19.69 ; 15.474,78.737 ccw(c15.749,76.84) 13.846,77.064 cw(c13.593,77.094) 13.595,76.84 S224.2@3.3,76.84 ; S257.2@8.062,38.74 10.285,38.74 ccw(c10.285,41.28) 12.825,41.28 S240.2@12.825,52.07 S240.2@12.825,57.79
  Bottom Layer w3.18: S283_2.2@13.376,-5.08 S283_1.2@15.206,-5.08 ; S283_2.2@13.376,0.64 S283_1.2@15.206,0.64